# Altium PCB monitor_panel.PcbDoc (part 1 of 2)
Units mm, origin at the board's own origin, x right, y up, seen from the top; angles counter-clockwise.
Board outline 370 x 220 mm, 2 copper layers (Top Layer, Bottom Layer), stack 1.635 mm thick; 211 components, 129 nets, 683 pads, 277 vias.
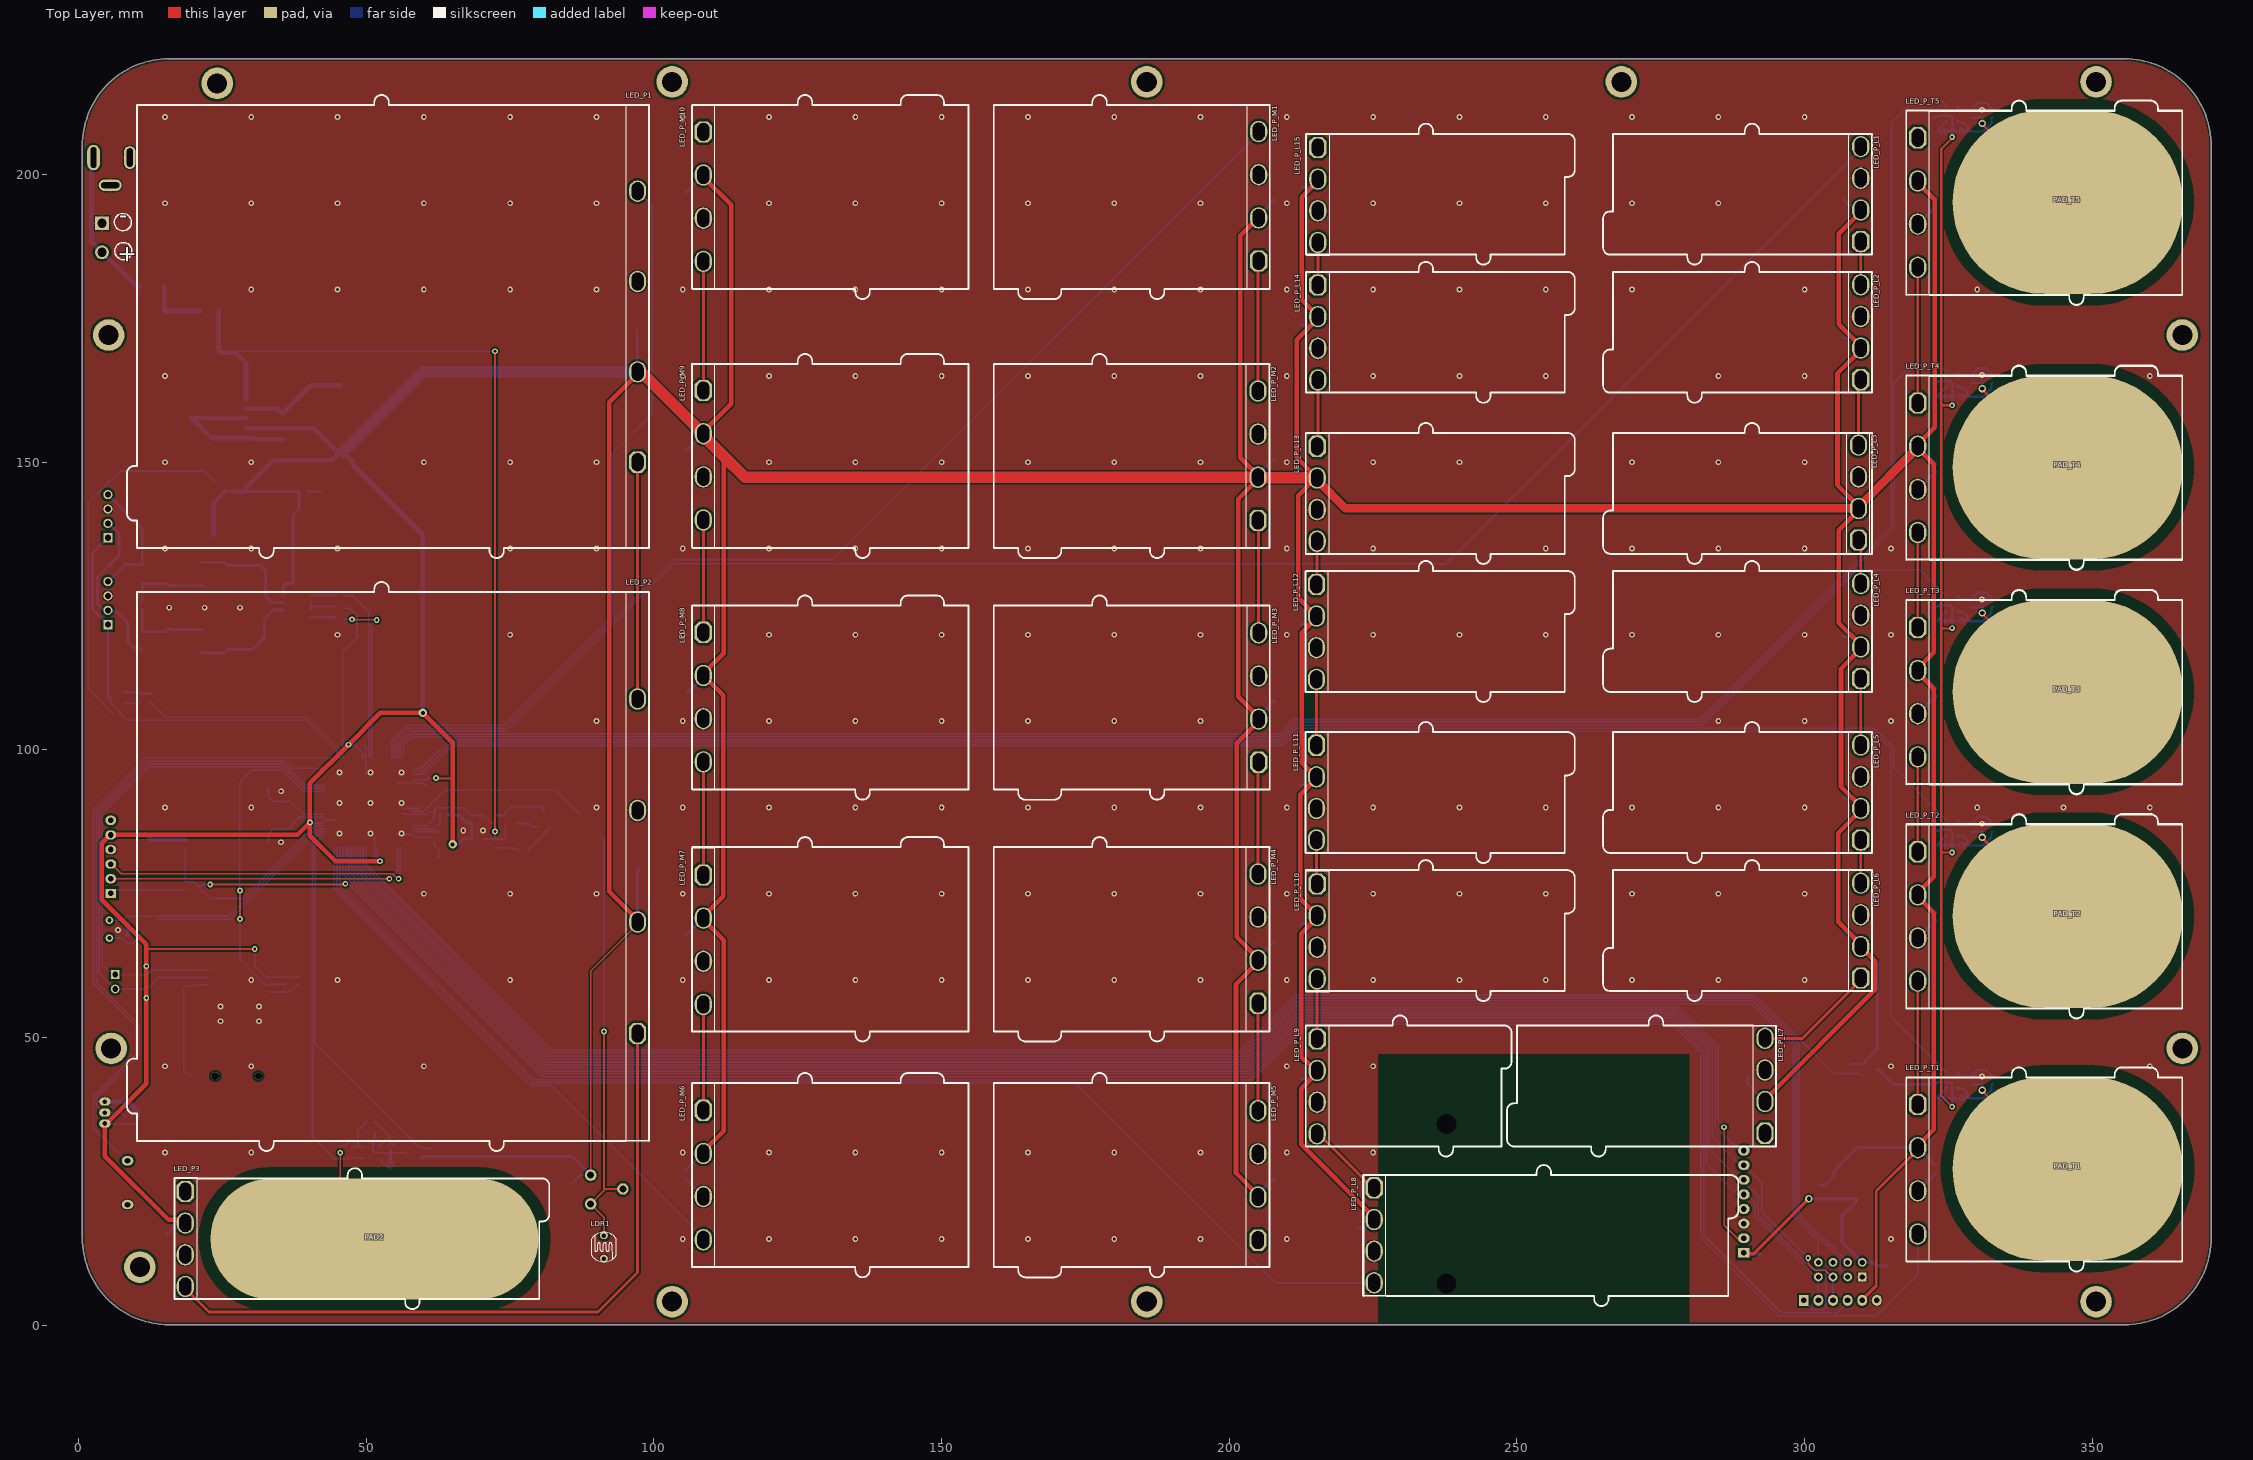
[diagram p0: Top Layer view]
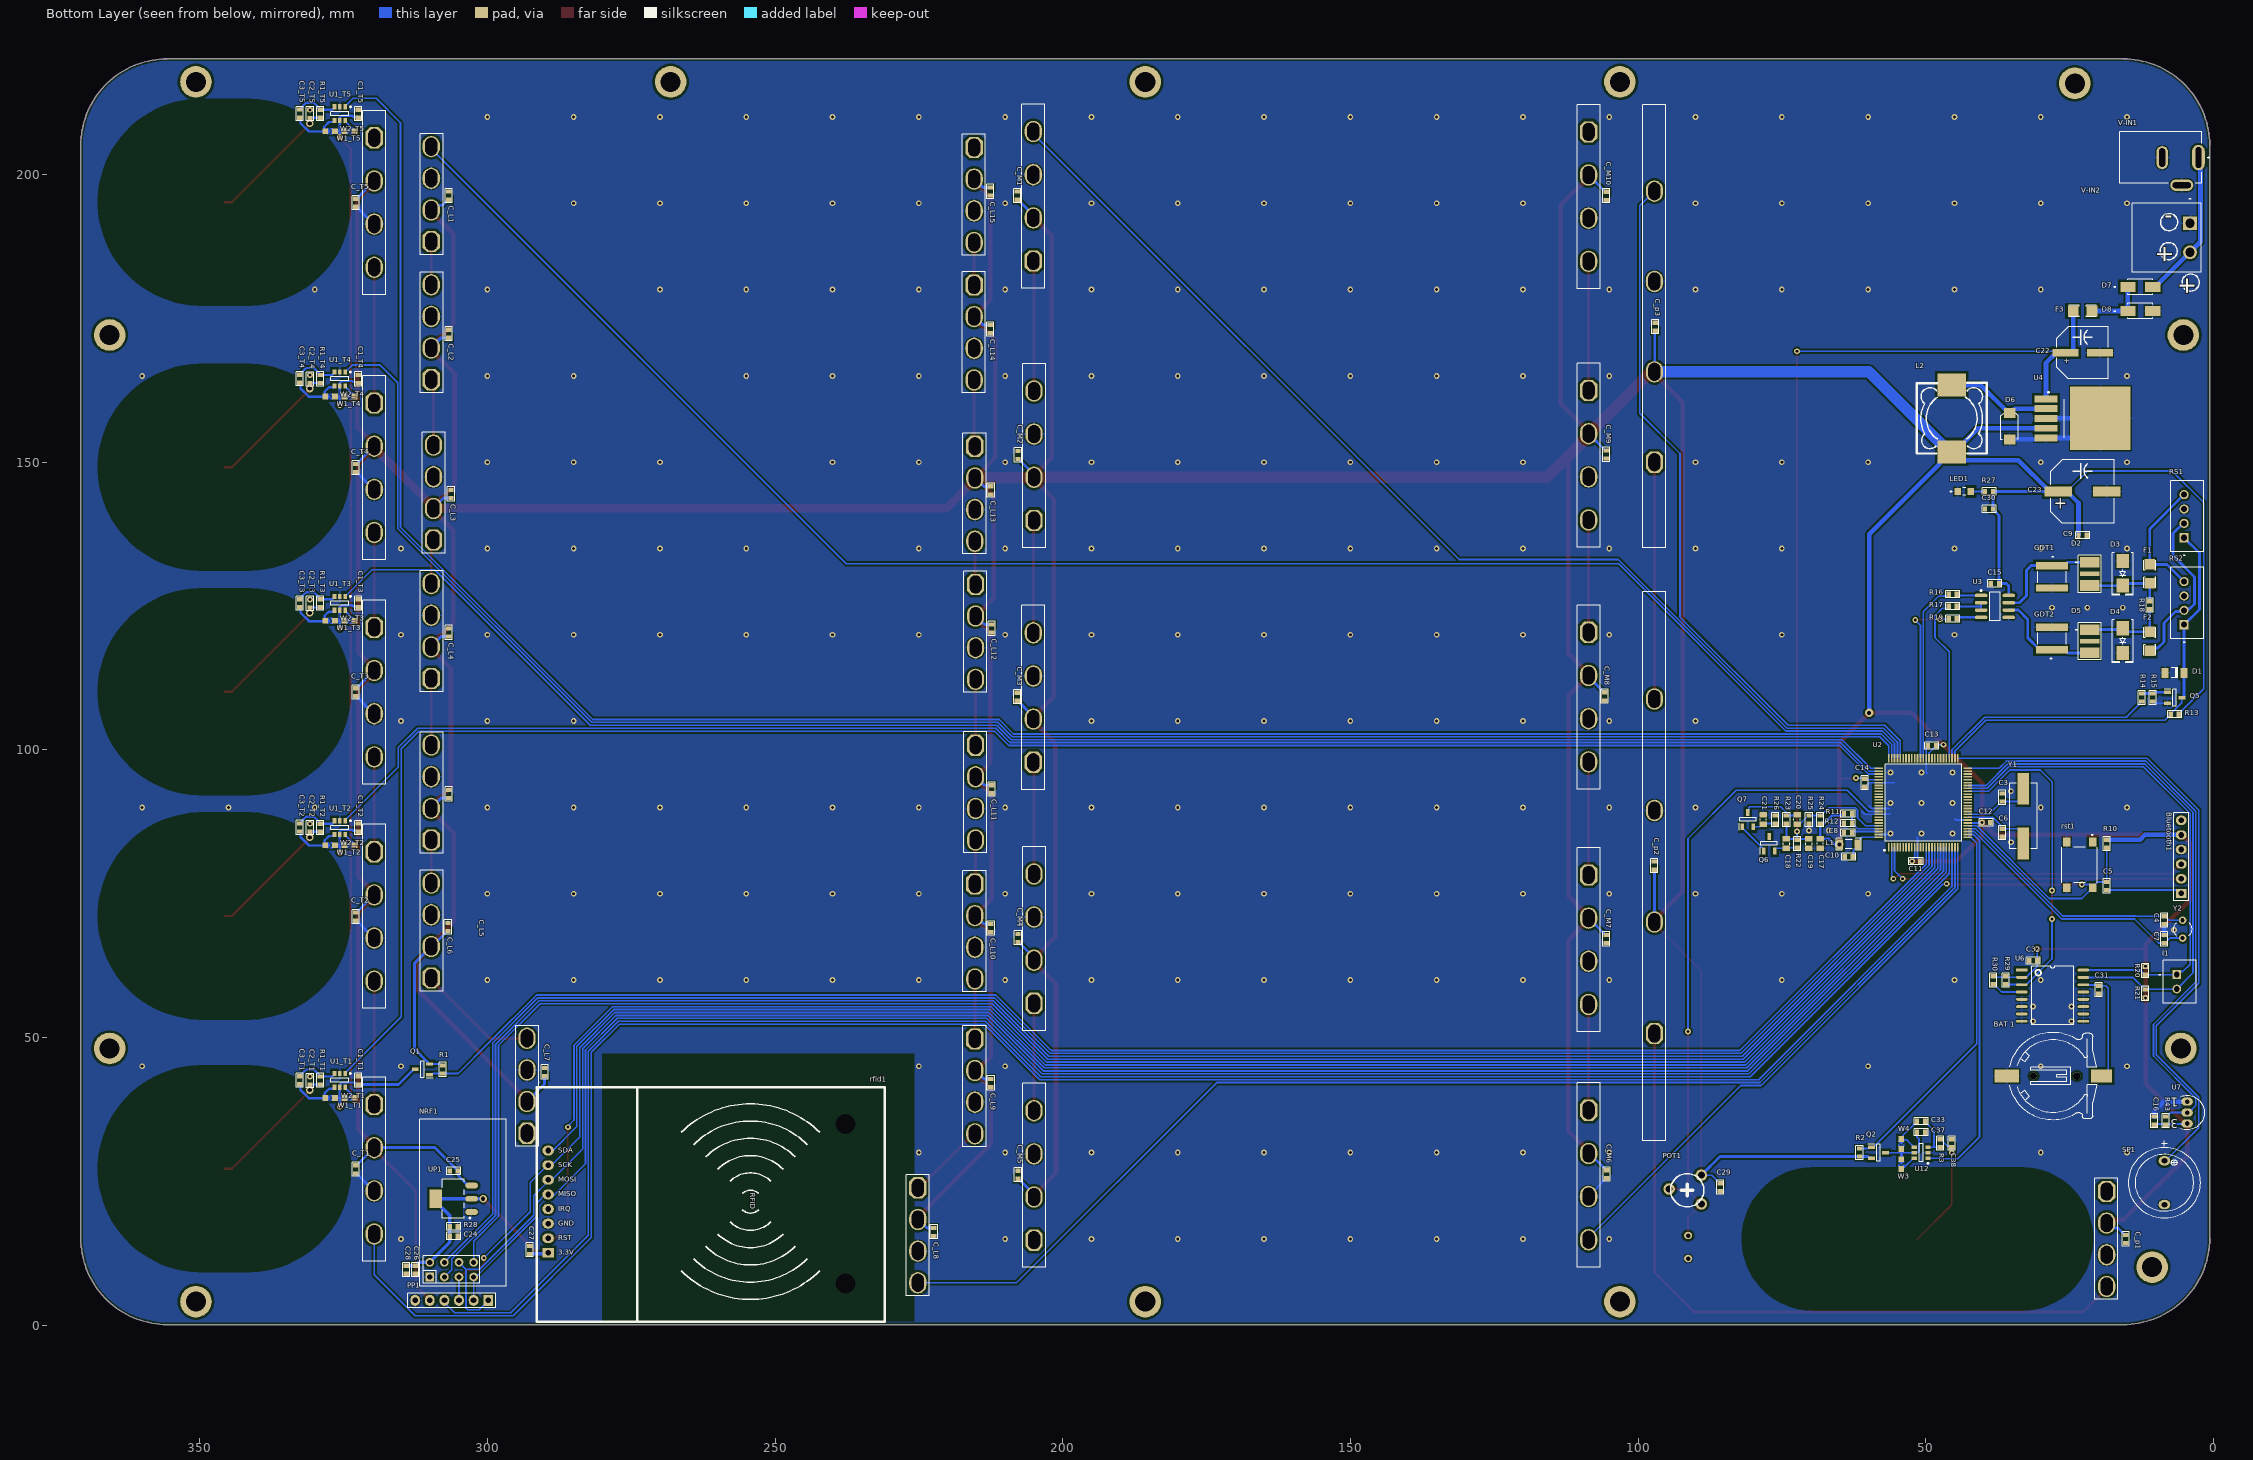
[diagram p1: Bottom Layer view, seen from below]
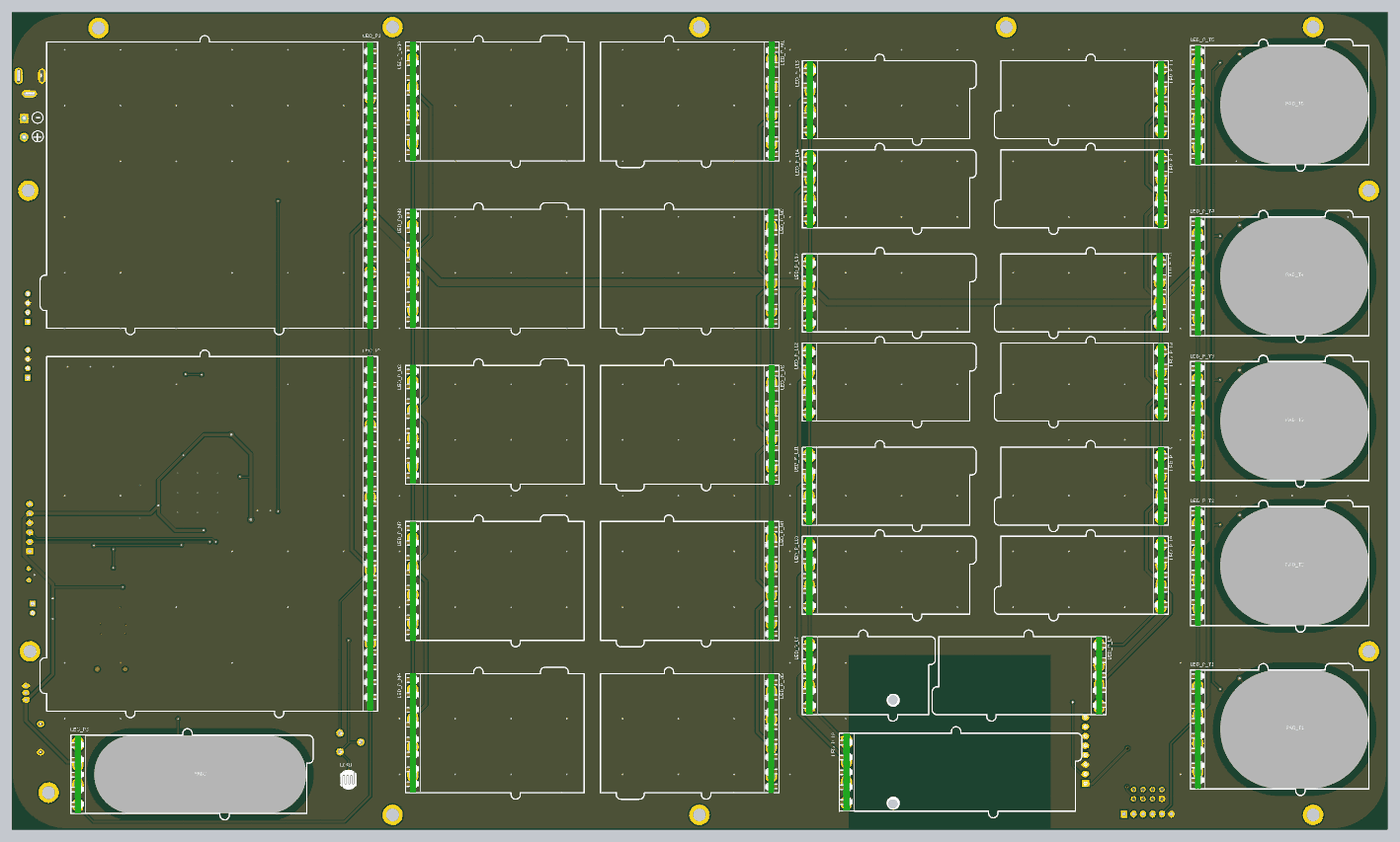
[diagram p3: 3D render of the assembled board from above, using the file's embedded part models]
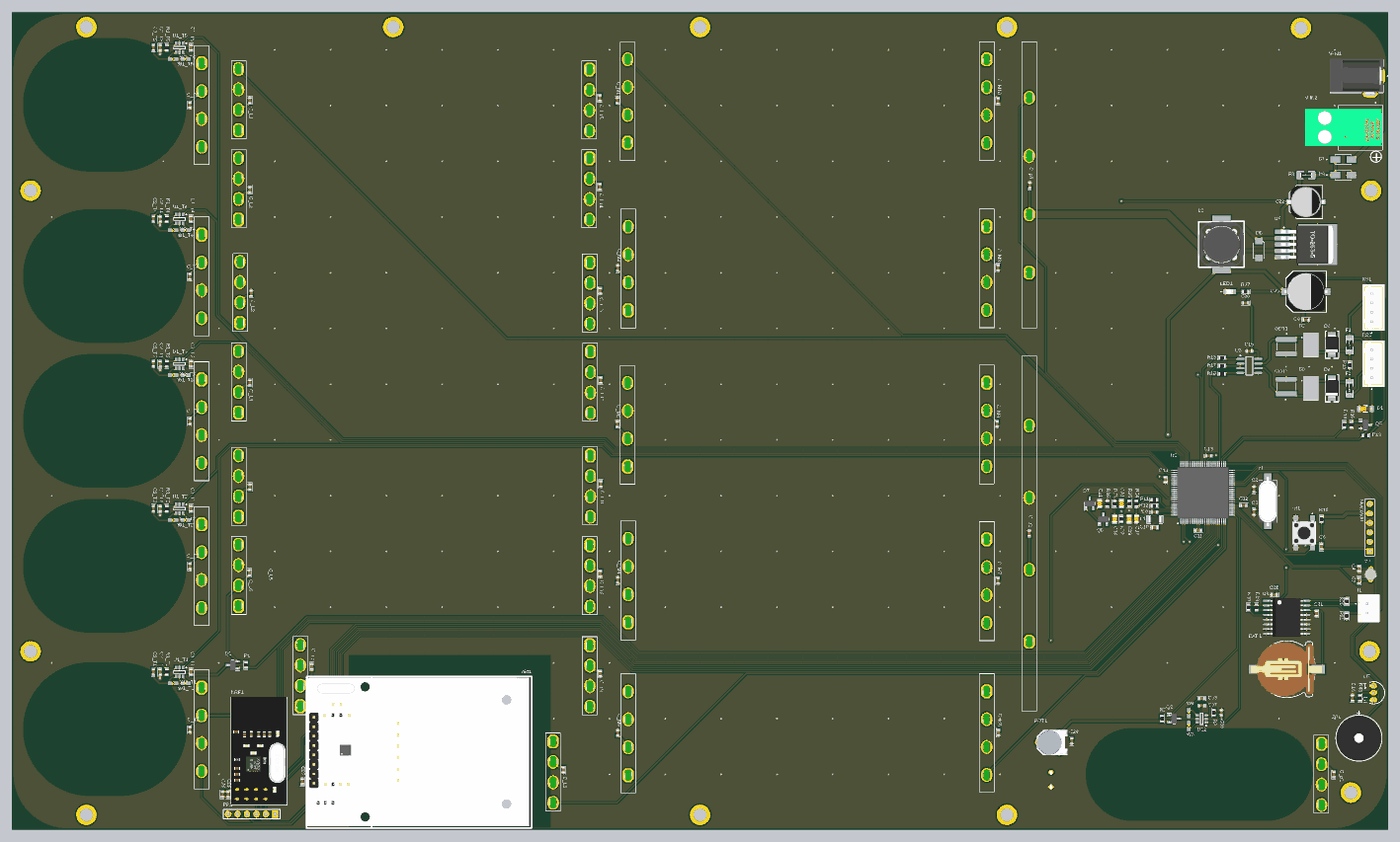
[diagram p4: 3D render of the assembled board from below, using the file's embedded part models]

## Layer stack, top to bottom
Top Solder: solder mask 0.0102, Solder Resist, Dk 3.5
Top Layer: signal copper 0.0175
Dielectric 1: dielectric 1.6, FR-4, Dk 4.8
Bottom Layer: signal copper 0.0175
Bottom Solder: solder mask 0.0102, Solder Resist, Dk 3.5

## Board outline
0.65,15.1 ccw(c15.65,15.1) 15.65,0.1 355.65,0.1 ccw(c355.65,15.1) 370.65,15.1 370.65,205.1 ccw(c355.65,205.1) 355.65,220.1 15.65,220.1 ccw(c15.65,205.1) 0.65,205.1

## Design rules (kind name [scope] priority, off if disabled: settings)
Clearance [All] p1: gap=0.2 ignorepadtopadclearanceinfootprint=TRUE except(0.3: Arc-Fill Arc-Poly Arc-Region Track-Fill Track-Poly Track-Region Via-Fill Via-Poly Via-Region Fill-Fill Fill-Poly Fill-Region Poly-Poly Poly-Region Region-Region; 0.4: SMDPad-Fill SMDPad-Poly SMDPad-Region THPad-Fill THPad-Poly THPad-Region)
Height [All] p1: minheight=0 maxheight=40 prefheight=12.7
HoleSize [All] p1: absolutevalues=TRUE maxlimit=3.6 minlimit=0.4 maxpercent=80.000 minpercent=20.000
HoleToHoleClearance [All] p1: gap=1 allowstackedmicrovias=TRUE
MinimumSolderMaskSliver [All] p1: minsoldermaskwidth=0.1
PolygonConnect [All] p1: thpad.connectstyle=Relief thpad.reliefconductorwidth=0.4 thpad.reliefentries=4 thpad.polygonreliefangle="90 Angle" thpad.airgapwidth=0.2 smdpad.connectstyle=Relief smdpad.reliefconductorwidth=0.3 smdpad.reliefentries=4 smdpad.polygonreliefangle="90 Angle" smdpad.airgapwidth=0.2 via.connectstyle=Direct via.reliefconductorwidth=4 via.reliefentries=4 via.polygonreliefangle="90 Angle" via.airgapwidth=0.2
RoomDefinition L12 [InComponentClass('L12')] p1: confinementstyle=ConfineIn formatcopy=TRUE lockcomponents=FALSE outline 211.074,109.855 217.424,109.855 217.424,131.191 211.074,131.191
RoomDefinition L13 [InComponentClass('L13')] p2: confinementstyle=ConfineIn formatcopy=TRUE lockcomponents=FALSE outline 211.201,133.858 217.551,133.858 217.551,155.194 211.201,155.194
RoomDefinition L11 [InComponentClass('L11')] p3: confinementstyle=ConfineIn formatcopy=TRUE lockcomponents=FALSE outline 211.074,81.915 217.424,81.915 217.424,103.251 211.074,103.251
RoomDefinition L10 [InComponentClass('L10')] p4: confinementstyle=ConfineIn formatcopy=TRUE lockcomponents=FALSE outline 211.201,57.785 217.551,57.785 217.551,79.121 211.201,79.121
RoomDefinition L9 [InComponentClass('L9')] p5: confinementstyle=ConfineIn formatcopy=TRUE lockcomponents=FALSE outline 211.201,30.861 217.551,30.861 217.551,52.197 211.201,52.197
RoomDefinition L15 [InComponentClass('L15')] p6: confinementstyle=ConfineIn formatcopy=TRUE lockcomponents=FALSE outline 211.328,185.801 217.678,185.801 217.678,207.137 211.328,207.137
RoomDefinition L14 [InComponentClass('L14')] p7: confinementstyle=ConfineIn formatcopy=TRUE lockcomponents=FALSE outline 211.328,161.899 217.678,161.899 217.678,183.235 211.328,183.235
RoomDefinition T5 [InComponentClass('T5')] p8: confinementstyle=ConfineIn formatcopy=TRUE lockcomponents=FALSE outline 317.119,176.657 368.427,176.657 368.427,216.281 317.119,216.281
RoomDefinition U_RS485 [InComponentClass('U_RS485')] p9 off: confinementstyle=ConfineIn formatcopy=TRUE lockcomponents=FALSE outline 373.126,188.406 495.935,188.406 495.935,204.916 373.126,204.916
RoomDefinition U_power [InComponentClass('U_power')] p10 off: confinementstyle=ConfineIn formatcopy=TRUE lockcomponents=FALSE outline 371.729,139.065 509.143,139.065 509.143,163.322 371.729,163.322
RoomDefinition U_noise [InComponentClass('U_noise')] p11 off: confinementstyle=ConfineIn formatcopy=TRUE lockcomponents=FALSE outline 371.729,131.318 439.166,131.318 439.166,137.922 371.729,137.922
RoomDefinition U_micro [InComponentClass('U_micro')] p12 off: confinementstyle=ConfineIn formatcopy=TRUE lockcomponents=FALSE outline 371.856,109.474 535.051,109.474 535.051,130.048 371.856,130.048
RoomDefinition U_indicators [InComponentClass('U_indicators')] p13 off: confinementstyle=ConfineIn formatcopy=TRUE lockcomponents=FALSE outline 386.334,103.378 394.716,103.378 394.716,109.982 386.334,109.982
RoomDefinition U_devices [InComponentClass('U_devices')] p14 off: confinementstyle=ConfineIn formatcopy=TRUE lockcomponents=FALSE outline 381.127,4.826 688.213,4.826 688.213,103.632 381.127,103.632
RoomDefinition T4 [InComponentClass('T4')] p15: confinementstyle=ConfineIn formatcopy=TRUE lockcomponents=FALSE outline 317.119,130.556 368.427,130.556 368.427,170.18 317.119,170.18
RoomDefinition T3 [InComponentClass('T3')] p16: confinementstyle=ConfineIn formatcopy=TRUE lockcomponents=FALSE outline 317.119,91.567 368.427,91.567 368.427,131.191 317.119,131.191
RoomDefinition T2 [InComponentClass('T2')] p17: confinementstyle=ConfineIn formatcopy=TRUE lockcomponents=FALSE outline 317.119,52.578 368.427,52.578 368.427,92.202 317.119,92.202
RoomDefinition T1 [InComponentClass('T1')] p18: confinementstyle=ConfineIn formatcopy=TRUE lockcomponents=FALSE outline 317.119,8.636 368.427,8.636 368.427,48.26 317.119,48.26
RoomDefinition M10 [InComponentClass('M10')] p19: confinementstyle=ConfineIn formatcopy=TRUE lockcomponents=FALSE outline 104.521,179.899 110.998,179.899 110.998,212.284 104.521,212.284
RoomDefinition M9 [InComponentClass('M9')] p20: confinementstyle=ConfineIn formatcopy=TRUE lockcomponents=FALSE outline 104.648,134.948 110.998,134.948 110.998,167.333 104.648,167.333
RoomDefinition M8 [InComponentClass('M8')] p21: confinementstyle=ConfineIn formatcopy=TRUE lockcomponents=FALSE outline 105.029,92.911 111.252,92.911 111.252,125.296 105.029,125.296
RoomDefinition M7 [InComponentClass('M7')] p22: confinementstyle=ConfineIn formatcopy=TRUE lockcomponents=FALSE outline 104.521,50.747 110.998,50.747 110.998,83.132 104.521,83.132
RoomDefinition M6 [InComponentClass('M6')] p23: confinementstyle=ConfineIn formatcopy=TRUE lockcomponents=FALSE outline 104.648,9.846 110.871,9.846 110.871,42.231 104.648,42.231
RoomDefinition M5 [InComponentClass('M5')] p24: confinementstyle=ConfineIn formatcopy=FALSE lockcomponents=FALSE outline 202.565,9.779 208.661,9.779 208.661,42.545 202.565,42.545
RoomDefinition M4 [InComponentClass('M4')] p25: confinementstyle=ConfineIn formatcopy=FALSE lockcomponents=FALSE outline 202.565,50.927 208.661,50.927 208.661,83.693 202.565,83.693
RoomDefinition M3 [InComponentClass('M3')] p26: confinementstyle=ConfineIn formatcopy=FALSE lockcomponents=FALSE outline 202.692,92.837 208.788,92.837 208.788,125.603 202.692,125.603
RoomDefinition M2 [InComponentClass('M2')] p27: confinementstyle=ConfineIn formatcopy=FALSE lockcomponents=FALSE outline 202.565,134.874 208.661,134.874 208.661,167.64 202.565,167.64
RoomDefinition M1 [InComponentClass('M1')] p28: confinementstyle=ConfineIn formatcopy=FALSE lockcomponents=FALSE outline 202.692,179.959 208.788,179.959 208.788,212.725 202.692,212.725
RoomDefinition L8 [InComponentClass('L8')] p29: confinementstyle=ConfineIn formatcopy=TRUE lockcomponents=FALSE outline 221.107,4.966 227.457,4.966 227.457,26.302 221.107,26.302
RoomDefinition L7 [InComponentClass('L7')] p30: confinementstyle=ConfineIn formatcopy=TRUE lockcomponents=FALSE outline 288.798,30.945 295.402,30.945 295.402,52.281 288.798,52.281
RoomDefinition L6 [InComponentClass('L6')] p31: confinementstyle=ConfineIn formatcopy=TRUE lockcomponents=FALSE outline 305.435,57.912 312.039,57.912 312.039,79.248 305.435,79.248
RoomDefinition L5 [InComponentClass('L5')] p32: confinementstyle=ConfineIn formatcopy=TRUE lockcomponents=FALSE outline 305.562,81.744 311.912,81.744 311.912,103.251 305.562,103.251
RoomDefinition L4 [InComponentClass('L4')] p33: confinementstyle=ConfineIn formatcopy=TRUE lockcomponents=FALSE outline 305.562,109.811 311.912,109.811 311.912,131.318 305.562,131.318
RoomDefinition L3 [InComponentClass('L3')] p34: confinementstyle=ConfineIn formatcopy=TRUE lockcomponents=FALSE outline 305.181,133.879 311.531,133.879 311.531,155.386 305.181,155.386
RoomDefinition L2 [InComponentClass('L2')] p35: confinementstyle=ConfineIn formatcopy=TRUE lockcomponents=FALSE outline 305.562,161.754 311.912,161.754 311.912,183.261 305.562,183.261
RoomDefinition L1 [InComponentClass('L1')] p36: confinementstyle=ConfineIn formatcopy=TRUE lockcomponents=FALSE outline 305.562,185.757 311.912,185.757 311.912,207.264 305.562,207.264
RoutingVias [All] p1: holewidth=0.5 width=1 viastyle="Through Hole" minholewidth=0.4 minwidth=0.8 maxholewidth=0.8 maxwidth=1.5
SilkToSilkClearance [All] p1: silktosilkclearance=0.1
SilkToSolderMaskClearance [IsPad] p1: minsilkscreentomaskgap=0.1 clearancetoexposedcopper=TRUE
SolderMaskExpansion [All] p1: expansion=0.102 istentingtop=FALSE
Width [All] p1: maxlimit=2 minlimit=0.254 preferedwidth=0.3
24 further rules are at their usual default settings.

## Classes and differential pairs
channel class led_pack32: M1 M2 M3 M4 M5 M6 M7 M8 M9 M10
component class T5: C1_T5 C2_T5 C3_T5 C_T5 LED_P_T5 PAD_T5 R1_T5 U1_T5 W1_T5 W2_T5
component class T4: C1_T4 C2_T4 C3_T4 C_T4 LED_P_T4 PAD_T4 R1_T4 U1_T4 W1_T4 W2_T4
component class T3: C1_T3 C2_T3 C3_T3 C_T3 LED_P_T3 PAD_T3 R1_T3 U1_T3 W1_T3 W2_T3
component class T2: C1_T2 C2_T2 C3_T2 C_T2 LED_P_T2 PAD_T2 R1_T2 U1_T2 W1_T2 W2_T2
component class T1: C1_T1 C2_T1 C3_T1 C_T1 LED_P_T1 PAD_T1 R1_T1 U1_T1 W1_T1 W2_T1
component class M10: C_M10 LED_P_M10
component class M9: C_M9 LED_P_M9
component class M8: C_M8 LED_P_M8
component class M7: C_M7 LED_P_M7
component class M6: C_M6 LED_P_M6
component class M5: C_M5 LED_P_M5
component class M4: C_M4 LED_P_M4
component class M3: C_M3 LED_P_M3
component class M2: C_M2 LED_P_M2
component class M1: C_M1 LED_P_M1
channel class led_pack32_touch: L1 L2 L3 L4 L5
component class L15: C_L15 C_p_L15 LED_P_L15
component class L14: C_L14 C_p_L14 LED_P_L14
component class L13: C_L13 C_p_L13 LED_P_L13
component class L12: C_L12 C_p_L12 LED_P_L12
component class L11: C_L11 C_p_L11 LED_P_L11
component class L10: C_L10 C_p_L10 LED_P_L10
component class L9: C_L9 C_p_L9 LED_P_L9
component class L8: C_L8 C_p_L8 LED_P_L8
component class L7: C_L7 C_p_L7 LED_P_L7
component class L6: C_L6 C_p_L6 LED_P_L6
component class L5: C_L5 LED_P_L5
component class L4: C_L4 LED_P_L4
component class L3: C_L3 LED_P_L3
component class L2: C_L2 LED_P_L2
component class L1: C_L1 LED_P_L1
net class LED_D[1..6]: LED_D1 LED_D2 LED_D3 LED_D4 LED_D5 LED_D6
net class PACK32t_DO[26..30]: PACK32t_DO26 PACK32t_DO27 PACK32t_DO28 PACK32t_DO29 PACK32t_DO30
net class PACK32_DO[16..25]: PACK32_DO16 PACK32_DO17 PACK32_DO18 PACK32_DO19 PACK32_DO20 PACK32_DO21 PACK32_DO22 PACK32_DO23 PACK32_DO24 PACK32_DO25
channel class led_pack21: LP1 LP2 LP3 LP4 LP5 LP6 LP7 LP8 LP9 LP10 LP11 LP12 LP13 LP14 LP15 LP_logo LP_RF
net class PACK_DO[1..15]: PACK_DI2 PACK_DI3 PACK_DI4 PACK_DI5 PACK_DI6 PACK_DI7 PACK_DI9 PACK_DI10 PACK_DI11 PACK_DI12 PACK_DI13 PACK_DI14 PACK_DI15 PACK_DO7 PACK_DO15
net class PACK_DI[1..15]: LED_D4 LED_D5 PACK_DI2 PACK_DI3 PACK_DI4 PACK_DI5 PACK_DI6 PACK_DI7 PACK_DI9 PACK_DI10 PACK_DI11 PACK_DI12 PACK_DI13 PACK_DI14 PACK_DI15
component class U_indicators: Q1 R1
net class touch[1..5]: touch1 touch2 touch3 touch4 touch5
component class U_noise: C17 C18 C19 C20 C21 Q6 Q7 R22 R23 R24 R25 R26
component class U_RS485: C15 C16 D2 D3 D4 D5 F1 F2 GDT1 GDT2 I1 R16 R17 R18 R19 R20 R21 RS1 RS2 U3
component class U_power: C22 C23 C24 C25 D6 D7 D8 F3 L2 LED1 R27 R28 U4 UP1 V-IN1 V-IN2
component class U_micro: Bluetooth1 C3 C4 C5 C6 C7 C8 C9 C10 C11 C12 C13 C14 D1 L1 PP1 Q5 R10 R11 R12 R13 R14 R15 rst1 U2 Y1 Y2
component class U_devices: "BAT 1" C26 C27 C28 C29 C30 C31 C32 C33 C37 C38 C_p1 C_p2 C_p3 LDR1 LED_P1 LED_P2 LED_P3 NRF1 PAD2 POT1 Q2 R2 R3 R29 R30 R43 rfid1 SP1 U6 U7 U12 W3 W4